# KiCad board IotKnob.kicad_pcb (continued)
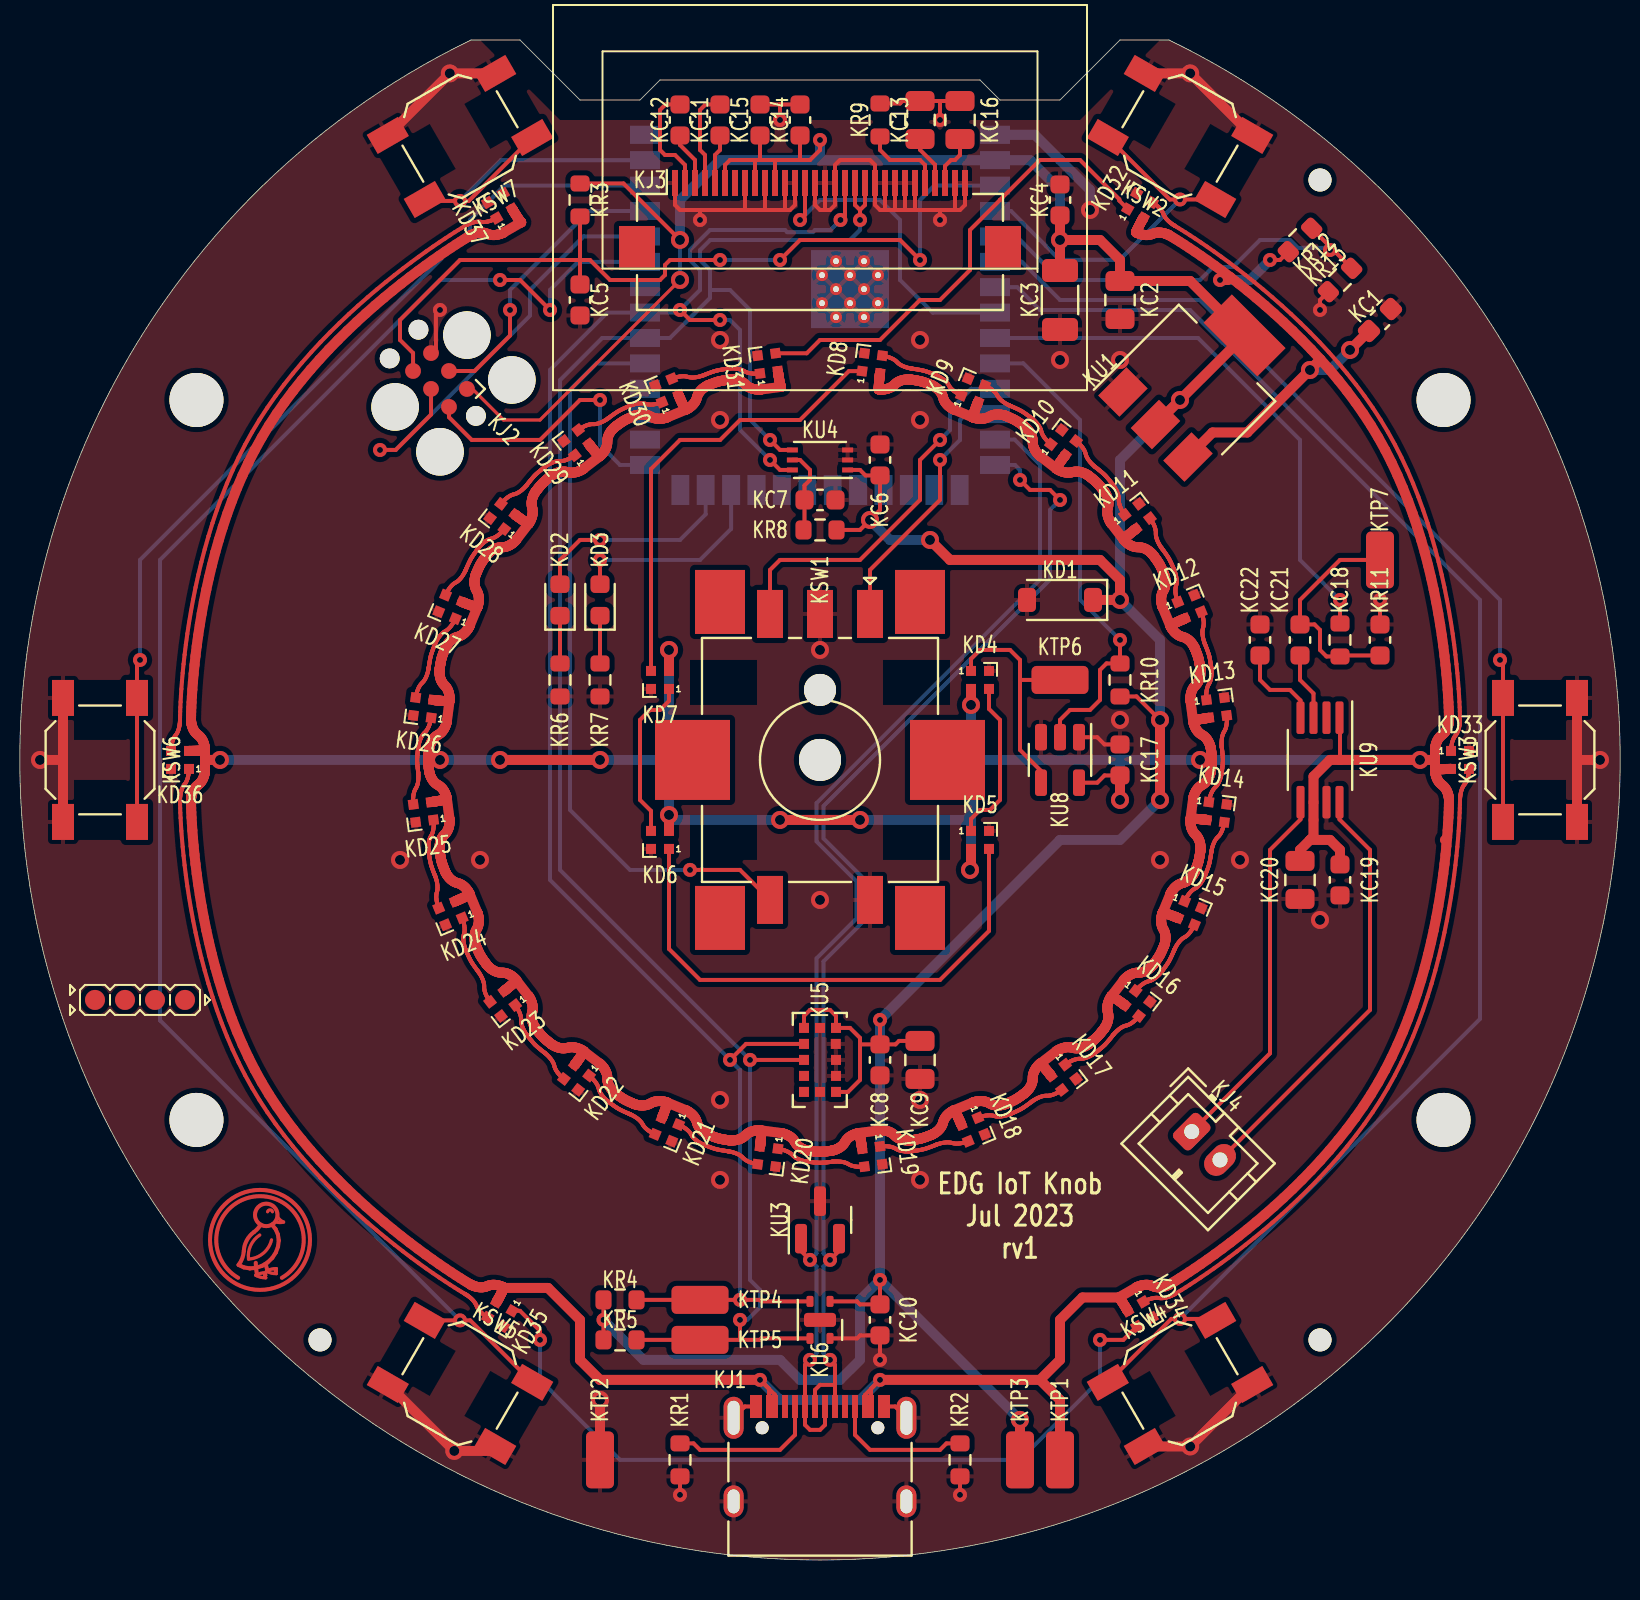
[diagram p0: board, top side]
## Footprints (pads in the part's own frame, mm; a bottom-side part is the same pattern mirrored in y, then rotated)
C_0603_1608Metric
  rrect 0.9x0.95 smd: 1(-0.775,0) 2(0.775,0)
C_0805_2012Metric
  rrect 1x1.45 smd: 1(-0.95,0) 2(0.95,0)
C_1206_3216Metric
  rrect 1.15x1.8 smd: 1(-1.475,0) 2(1.475,0)
D_SOD-123
  rrect 0.9x1.2 smd: 1(-1.65,0) 2(1.65,0)
ESP32-S3-WROOM-1
  rect 0.9x0.9 smd: (-2.9,-3.86) (-2.9,-2.46) (-2.9,-1.06) (-1.5,-3.86) (-1.5,-2.46) (-1.5,-1.06) (-0.1,-3.86) (-0.1,-2.46) (-0.1,-1.06)
  rect 1.5x0.9 smd: 1(-8.75,5.26) 2(-8.75,3.99) 3(-8.75,2.72) 4(-8.75,1.45) 5(-8.75,0.18) 6(-8.75,-1.09) 7(-8.75,-2.36) 8(-8.75,-3.63) 9(-8.75,-4.9) 10(-8.75,-6.17) 11(-8.75,-7.44) 12(-8.75,-8.71) 13(-8.75,-9.98) 14(-8.75,-11.25) 27(8.75,-11.25) 28(8.75,-9.98) 29(8.75,-8.71) 30(8.75,-7.44) 31(8.75,-6.17) 32(8.75,-4.9) 33(8.75,-3.63) 34(8.75,-2.36) 35(8.75,-1.09) 36(8.75,0.18) 37(8.75,1.45) 38(8.75,2.72) 39(8.75,3.99) 40(8.75,5.26)
  rect 0.9x1.5 smd: 15(-6.985,-12.5) 16(-5.715,-12.5) 17(-4.445,-12.5) 18(-3.175,-12.5) 19(-1.905,-12.5) 20(-0.635,-12.5) 21(0.635,-12.5) 22(1.905,-12.5) 23(3.175,-12.5) 24(4.445,-12.5) 25(5.715,-12.5) 26(6.985,-12.5)
  round 0.6 hole 0.3: 41(-2.9,-3.16) 41(-2.9,-1.76) 41(-2.2,-3.86) 41(-2.2,-2.46) 41(-2.2,-1.06) 41(-1.5,-3.16) 41(-1.5,-1.76) 41(-0.8,-3.86) 41(-0.8,-2.46) 41(-0.8,-1.06) 41(-0.1,-3.16) 41(-0.1,-1.76)
  rect 3.9x3.9 smd: 41(-1.5,-2.46)
Hirose_FH12-30S-0.5SH_1x30-1MP_P0.50mm_Horizontal
  rect 0.3x1.3 smd: 1(-7.25,1.85) 2(-6.75,1.85) 3(-6.25,1.85) 4(-5.75,1.85) 5(-5.25,1.85) 6(-4.75,1.85) 7(-4.25,1.85) 8(-3.75,1.85) 9(-3.25,1.85) 10(-2.75,1.85) 11(-2.25,1.85) 12(-1.75,1.85) 13(-1.25,1.85) 14(-0.75,1.85) 15(-0.25,1.85) 16(0.25,1.85) 17(0.75,1.85) 18(1.25,1.85) 19(1.75,1.85) 20(2.25,1.85) 21(2.75,1.85) 22(3.25,1.85) 23(3.75,1.85) 24(4.25,1.85) 25(4.75,1.85) 26(5.25,1.85) 27(5.75,1.85) 28(6.25,1.85) 29(6.75,1.85) 30(7.25,1.85)
  rect 1.8x2.2 smd: MP(-9.15,-1.4) MP(9.15,-1.4)
HVSOF6
  rect 0.55x0.25 smd: 1(-1.38,0.5) 2(-1.38,0) 3(-1.38,-0.5) 4(1.38,-0.5) 5(1.38,0) 6(1.38,0.5)
JlcToolingHole_1.152mm
  round 1.152 hole 1.152 unplated: (0,0)
JST_PH_B2B-PH-K_1x02_P2.00mm_Vertical
  rrect 1.2x1.75 hole 0.75: 1(0,0)
  oval 1.2x1.75 hole 0.75: 2(2,0)
LED_0603_1608Metric
  rrect 0.875x0.95 smd: 1(-0.787,0) 2(0.787,0)
LED_SK6812_EC15_1.5x1.5mm
  rect 0.5x0.5 smd: 1(-0.45,0.45) 2(-0.45,-0.45) 3(0.45,-0.45) 4(0.45,0.45)
LED_SK6812_EC15_1.5x1.5mm#2
  rect 0.5x0.5 smd: 1(-0.45,0.45) 2(-0.45,-0.45) 3(0.45,-0.45) 4(0.45,0.45)
LED_SK6812_EC15_1.5x1.5mm#3
  rect 0.5x0.5 smd: 1(-0.45,0.45) 2(-0.45,-0.45) 3(0.45,-0.45) 4(0.45,0.45)
MountingHole_2.7mm_M2.5
  round 2.7 hole 2.7 unplated: (0,0)
MSOP-8_3x3mm_P0.65mm
  rrect 1.625x0.4 smd: 1(-2.112,0.975) 2(-2.112,0.325) 3(-2.112,-0.325) 4(-2.112,-0.975) 5(2.112,-0.975) 6(2.112,-0.325) 7(2.112,0.325) 8(2.112,0.975)
R_0603_1608Metric
  rrect 0.8x0.95 smd: 1(-0.825,0) 2(0.825,0)
RotaryEncoder_Alps_EC11J15-Switch
  round 1.6 hole 2x1.6 unplated: (-3.5,0)
  round 2.1 hole 2.1 unplated: (0,0)
  rect 2.4x1.3 smd: A(-7.3,2.5) B(-7.3,-2.5) C(-7.3,0) S1(7,-2.5) S2(7,2.5)
  rect 3.2x2.5 smd: MP(-7.9,5) MP(-7.9,-5) MP(7.9,5) MP(7.9,-5)
  rect 4x3.75 smd: MP(0,6.375) MP(0,-6.375)
Sensirion_DFN-4-1EP_2x2mm_P1mm_EP0.7x1.6mm
  rrect 0.55x0.35 smd: (-1.025,0.5) (-1.025,-0.5) (1.025,0.5) (1.025,-0.5) 1(-0.925,0.5) 2(-0.925,-0.5) 3(0.925,-0.5) 4(0.925,0.5)
  rrect 0.5x1.4 smd: (0,0)
  rrect 0.7x1.6 smd: 5(0,0)
SOT-23
  rrect 1.475x0.6 smd: 1(-0.938,0.95) 2(-0.938,-0.95) 3(0.938,0)
SOT-23-5
  rrect 1.325x0.6 smd: 1(-1.137,0.95) 2(-1.137,0) 3(-1.137,-0.95) 4(1.137,-0.95) 5(1.137,0.95)
SOT-223-3_TabPin2
  rect 2x1.5 smd: 1(-3.15,2.3) 2(-3.15,0) 3(-3.15,-2.3)
  rect 2x3.8 smd: 2(3.15,0)
ST_VL53L0X
  rect 0.5x0.5 smd: 1(-1.6,0.8) 2(-0.8,0.79) 3(0,0.8) 4(0.8,0.8) 5(1.6,0.8) 6(1.6,0) 7(1.6,-0.8) 8(0.8,-0.8) 9(0,-0.8) 10(-0.8,-0.8) 11(-1.6,-0.8) 12(-1.6,0)
SW_SPST_SKQG_WithoutStem
  rect 1.8x1.1 smd: 1(-3.1,1.85) 1(3.1,1.85) 2(-3.1,-1.85) 2(3.1,-1.85)
Tag-Connect_TC2030-IDC-FP_2x03_P1.27mm_Vertical
  round 2.375 hole 2.375 unplated: (-2.54,2.54) (-2.54,-2.54) (0.635,2.54) (0.635,-2.54)
  round 0.991 hole 0.991 unplated: (-2.54,0) (2.54,1.016) (2.54,-1.016)
  round 0.787 smd: 1(-1.27,-0.635) 2(-1.27,0.635) 3(0,-0.635) 4(0,0.635) 5(1.27,-0.635) 6(1.27,0.635)
TestPoint_TE_RCT_0805
  rrect 2.85x1.4 smd: 1(0,0)
USB_C_Receptacle_XKB_U262-16XN-4BVC11
  round 0.65 hole 0.65 unplated: (-2.89,2.605) (2.89,2.605)
  rect 0.3x1.15 smd: A1(-3.35,3.67) A4(-2.55,3.67) A5(-1.25,3.67) A6(-0.25,3.67) A7(0.25,3.67) A8(1.25,3.67) A9(2.55,3.67) A12(3.35,3.67) B1(3.05,3.67) B4(2.25,3.67) B5(1.75,3.67) B6(0.75,3.67) B7(-0.75,3.67) B8(-1.75,3.67) B9(-2.25,3.67) B12(-3.05,3.67)
  oval 1x2.1 hole 0.6x1.7: S1(-4.32,3.105) S1(4.32,3.105)
  oval 1x1.6 hole 0.6x1.2: S1(-4.32,-1.075) S1(4.32,-1.075)

## Nets
gnd: KC1.2 KC2.2 KC3.2 KC4.2 KC5.2 KC6.2 KC7.2 KC8.2 KC9.2 KC10.2 KC13.2 KC14.2 KC15.2 KC16.2 KC17.2 KC18.2 KC19.2 KC20.2 KC22.2 KD1.2 KD4.4 KD5.4 KD6.4 KD7.4 KD8.4 KD9.4 KD10.4 KD11.4 KD12.4 KD13.4 KD14.4 KD15.4 KD16.4 KD17.4 KD18.4 KD19.4 KD20.4 KD21.4 KD22.4 KD23.4 KD24.4 KD25.4 KD26.4 KD27.4 KD28.4 KD29.4 KD30.4 KD31.4 KD32.4 KD33.4 KD34.4 KD35.4 KD36.4 KD37.4 KJ1.A1 KJ1.A12 KJ1.B1 KJ1.B12 KJ1.S1 KJ2.5 KJ3.1 KJ3.8 KJ3.10 KJ3.12 KJ3.13 KJ3.15 KJ3.16 KJ3.17 KJ3.21 KJ3.22 KJ3.23 KJ3.24 KJ3.25 KJ3.29 KJ3.30 KR1.1 KR2.1 KR6.2 KR7.2 KR9.2 KR13.2 KSW1.C KSW1.S2 KSW2.2 KSW3.2 KSW4.2 KSW5.2 KSW6.2 KSW7.2 KTP2.1 KU1.1 KU2.1 KU2.40 KU2.41 KU3.3 KU4.2 KU4.3 KU5.2 KU5.3 KU5.4 KU5.6 KU5.12 KU6.4 KU6.5 KU8.1 KU8.3 KU9.7
v3v3: KC2.1 KC3.1 KC4.1 KC6.1 KC8.1 KC9.1 KC10.1 KC14.1 KC15.1 KD1.1 KJ2.1 KJ3.6 KJ3.9 KJ3.11 KR3.1 KR4.1 KR5.1 KR8.1 KR10.1 KTP3.1 KU1.2 KU2.2 KU4.1 KU5.1 KU5.5 KU5.11 KU6.1
v5v_sense.output: KR12.2 KR13.1 KU2.5
als.dvi_res.b: KC7.1 KR8.2 KU4.5
dist.gpio1: KU5.7
enc.a: KSW1.A KU2.12
enc.b: KSW1.B KU2.11
enc.sw: KSW1.S1 KU2.31
i2c_chain_0.scl: KJ3.18 KR4.2 KTP4.1 KU2.33 KU4.6 KU5.10 KU6.2
i2c_chain_0.sda: KJ3.19 KJ3.20 KR5.2 KTP5.1 KU2.32 KU4.4 KU5.9 KU6.3
io8_pur.io: KR10.2 KU2.10 KU8.2
ledr.res.a: KD2.1 KR6.1
ledr.signal: KD2.2 KU2.25
ledy.res.a: KD3.1 KR7.1
ledy.signal: KD3.2 KU2.24
mcu.program_boot_node: KJ2.2 KU2.27
mcu.program_en_node: KC5.1 KJ2.6 KR3.2 KU2.3
mcu.program_uart_node.a_tx: KJ2.3 KU2.37
mcu.program_uart_node.b_tx: KJ2.4 KU2.36
oled.c1_cap.neg: KC11.2 KJ3.5
oled.c1_cap.pos: KC11.1 KJ3.4
oled.c2_cap.neg: KC12.2 KJ3.3
oled.c2_cap.pos: KC12.1 KJ3.2
oled.device.vcc: KC16.1 KJ3.28
oled.device.vcomh: KC13.1 KJ3.27
oled.iref_res.a: KJ3.26 KR9.1
oled.reset: KJ3.14 KU2.8
rgb_knob.dout: KD7.3 KD8.1
rgb_knob.led[0].dout: KD4.3 KD5.1
rgb_knob.led[1].dout: KD5.3 KD6.1
rgb_knob.led[2].dout: KD6.3 KD7.1
rgb_ring.dout: KD31.3 KD32.1
rgb_ring.led[0].dout: KD8.3 KD9.1
rgb_ring.led[1].dout: KD9.3 KD10.1
rgb_ring.led[2].dout: KD10.3 KD11.1
rgb_ring.led[3].dout: KD11.3 KD12.1
rgb_ring.led[4].dout: KD12.3 KD13.1
rgb_ring.led[5].dout: KD13.3 KD14.1
rgb_ring.led[6].dout: KD14.3 KD15.1
rgb_ring.led[7].dout: KD15.3 KD16.1
rgb_ring.led[8].dout: KD16.3 KD17.1
rgb_ring.led[9].dout: KD17.3 KD18.1
rgb_ring.led[10].dout: KD18.3 KD19.1
rgb_ring.led[11].dout: KD19.3 KD20.1
rgb_ring.led[12].dout: KD20.3 KD21.1
rgb_ring.led[13].dout: KD21.3 KD22.1
rgb_ring.led[14].dout: KD22.3 KD23.1
rgb_ring.led[15].dout: KD23.3 KD24.1
rgb_ring.led[16].dout: KD24.3 KD25.1
rgb_ring.led[17].dout: KD25.3 KD26.1
rgb_ring.led[18].dout: KD26.3 KD27.1
rgb_ring.led[19].dout: KD27.3 KD28.1
rgb_ring.led[20].dout: KD28.3 KD29.1
rgb_ring.led[21].dout: KD29.3 KD30.1
rgb_ring.led[22].dout: KD30.3 KD31.1
rgb_shift.output: KD4.1 KTP6.1 KU8.4
rgb_sw.dout: KD37.3
rgb_sw.led[0].dout: KD32.3 KD33.1
rgb_sw.led[1].dout: KD33.3 KD34.1
rgb_sw.led[2].dout: KD34.3 KD35.1
rgb_sw.led[3].dout: KD35.3 KD36.1
rgb_sw.led[4].dout: KD36.3 KD37.1
spk_dac.input: KR11.1 KU2.9
spk_dac.output: KC18.1 KC21.2 KR11.2 KTP7.1
spk_drv.inn_cap.pos: KC22.1 KU9.4
spk_drv.inp_cap.pos: KC21.1 KU9.3
spk_drv.spk.a: KJ4.1 KU9.5
spk_drv.spk.b: KJ4.2 KU9.8
sw[0].out: KSW2.1 KU2.4
sw[1].out: KSW3.1 KU2.6
sw[2].out: KSW4.1 KU2.7
sw[3].out: KSW5.1 KU2.35
sw[4].out: KSW6.1 KU2.38
sw[5].out: KSW7.1 KU2.39
usb.conn.A5: KJ1.A5 KR1.2
usb.conn.B5: KJ1.B5 KR2.2
usb_chain_0.d_N: KJ1.A7 KJ1.B7 KU2.13 KU3.1
usb_chain_0.d_P: KJ1.A6 KJ1.B6 KU2.14 KU3.2
vusb: KC1.1 KC17.1 KC19.1 KC20.1 KD4.2 KD5.2 KD6.2 KD7.2 KD8.2 KD9.2 KD10.2 KD11.2 KD12.2 KD13.2 KD14.2 KD15.2 KD16.2 KD17.2 KD18.2 KD19.2 KD20.2 KD21.2 KD22.2 KD23.2 KD24.2 KD25.2 KD26.2 KD27.2 KD28.2 KD29.2 KD30.2 KD31.2 KD32.2 KD33.2 KD34.2 KD35.2 KD36.2 KD37.2 KJ1.A4 KJ1.A9 KJ1.B4 KJ1.B9 KR12.1 KTP1.1 KU1.3 KU8.5 KU9.1 KU9.6

Pads without a net: KJ1 A8 B8; KJ3 7 MP; KSW1 MP; KU2 15 16 17 18 19 20 21 22 23 26 28 29 30 34; KU5 8; KU9 2

## Via types
v1: diameter 0.9, hole 0.5, Top to Bottom, 51 vias
v2: diameter 0.7, hole 0.3, Top to Bottom, 59 vias

## Routing (per net, layer and track width the routed paths; a pad name or vN(x,y) marks a point on that pad's centre or on a via; arc(x,y) is an arc through that point)
gnd: length 109.9
  Top w0.2: KJ3.12 15.7,67.51 ; 15.7,67.51 14.7,67.51 ; 15.7,67.51 15.95,67.51 16.2,67.76 KJ3.13 ; 21.7,67.51 22.2,67.51 ; 21.7,67.51 21.2,67.51 ; 21.7,67.51 KJ3.24 ; 22.2,67.51 23.45,67.51 ; 22.2,67.51 KJ3.25 ; 20.7,67.51 20.45,67.51 20.2,67.76 KJ3.21 20.2,69.76 19.95,70.01 18.45,70.01 18.2,69.76 KJ3.17 18.2,67.76 17.95,67.51 17.7,67.51 ; 20.7,67.51 21.2,67.51 ; 20.7,67.51 KJ3.22 ; KU8.1 31.31,41.14 31.67,40.78 KC17.2 ; KJ2.5 -1.75,60.6 -1.75,62.3 v2(-1.55,62.51) ; KC15.2 15.45,72.78 ; 15.45,72.78 v2(15.45,72.01) ; 15.45,72.78 KC14.2 ; 21.2,67.51 KJ3.23 ; 23.45,67.51 v2(23.45,67.01) ; 23.45,67.51 24.2,67.51 ; 24.2,67.51 24.45,67.51 24.7,67.76 KJ3.30 ; 24.2,67.51 KJ3.29 ; KJ3.8 13.7,67.51 ; 13.7,67.51 11.45,67.51 ; 13.7,67.51 14.7,67.51 ; KJ1.A12 21.2,7.68 KJ1.S1 ; 17.7,67.51 KJ3.16 ; 17.7,67.51 17.45,67.51 17.2,67.76 KJ3.15 ; KR13.2 42.45,63.01 v2(42.45,62.51) ; 14.7,67.51 KJ3.10 ; KJ1.S1 13.7,7.68 KJ1.A1 ; 11.45,67.51 10.45,67.51 10.2,67.76 KJ3.1 ; 11.45,67.51 v2(11.45,67.01) ; 23.45,72.96 KC16.2 ; 23.45,72.96 v2(23.45,72.01) ; 23.45,72.96 KC13.2 21.58,72.96 21.45,72.83 KR9.2 ; KU6.4 19.3,11.08 19.45,11.23 KC10.2 v2(20.45,10.01) ; KC18.2 v2(45.45,48.01) ; KR1.1 v2(10.45,3.26) ; KR2.1 v2(24.45,3.26)
  Top w0.5: 55.3,40.01 KSW3.2 ; 55.3,40.01 KSW3.2 ; 55.3,40.01 v1(56.45,40.01) ; KSW2.2 v1(35.96,74.34) KSW2.2 ; -20.4,40.01 v1(-21.55,40.01) ; -20.4,40.01 KSW6.2 ; -20.4,40.01 KSW6.2 ; KSW4.2 v1(35.96,5.68) KSW4.2 ; KSW7.2 v1(-1.06,74.34) KSW7.2 ; 1.21,5.45 v1(-0.84,5.45) KSW5.2 ; KTP2.1 v1(6.45,8.01)
  Bottom w0.5: KU2.1 28.19,71.27 30.95,68.51 v1(30.95,67.51)
  vias: v1(-3.55,35.01) v1(0.45,35.01) v1(12.45,61.01) v1(12.45,57.01) v1(12.45,23.01) v1(12.45,19.01) v1(17.45,45.51) v1(17.45,33.01) v1(22.45,61.01) v1(22.45,57.01) v1(22.45,23.01) v1(22.45,19.01) v1(29.45,60.01) v1(32.45,60.01) v1(32.45,42.01) v1(34.45,35.01) v1(38.45,35.01) v1(42.45,32.01)
v3v3: length 207.3
  Top w0.16: v1(10.45,64.01) 3.45,57.01 1.62,57.01 0.07,58.56
  Top w0.2: 16.45,70.01 KC14.1 ; 16.45,70.01 15.2,70.01 ; 16.45,70.01 16.95,70.01 17.45,70.51 v2(17.45,71.01) ; KR3.1 7.62,68.83 v1(10.45,66.01) ; 19.45,25.76 19.48,25.78 KC8.1 ; 19.45,25.76 19.45,24.01 18.85,23.41 KU5.5 ; 19.45,25.76 19.45,26.11 18.95,26.61 KU5.1 18.25,27.21 17.95,27.51 16.95,27.51 16.65,27.21 KU5.11 ; KR8.1 19.45,51.51 v1(19.95,52.01) 20.45,52.51 KC6.1 19.73,54.23 19.45,54.51 KU4.1 ; 15.2,70.01 14.2,70.01 ; 15.2,70.01 KJ3.11 ; 14.2,70.01 12.95,70.01 12.7,69.76 KJ3.6 ; 14.2,70.01 KJ3.9 ; KC9.1 21.4,25.96 21.23,25.78 KC8.1 ; KU6.1 19.3,12.93 19.45,12.78 KC10.1 v2(20.45,14.01) ; v1(34.45,42.01) 33.28,43.18 KR10.1 ; KC8.1 v2(20.45,27.01) ; KR5.1 KR4.1 ; 14.45,70.01 KC15.1
  Top w0.5: v1(29.45,66.01) 31.45,66.01 32.45,65.01 KC2.1 35.95,63.96 KU1.2 KU1.2 ; v1(29.45,66.01) KC3.1 ; v1(29.45,66.01) KC4.1 ; KD1.1 v1(32.45,48.01) 32.45,49.01 31.45,50.01 23.95,50.01 v1(22.95,51.01) ; v1(34.45,38.01) v1(34.45,42.01) ; KTP3.1 v1(27.45,7.01)
  Bottom w0.2: v1(10.45,64.01) 10.45,64.01 v1(10.45,66.01)
  Bottom w0.5: v1(22.95,51.01) 20.95,51.01 v1(19.95,52.01) ; v1(10.45,66.01) 10.45,68 12.44,70 17.45,70 ; v1(34.45,42.01) 34.45,46.01 v1(32.45,48.01) 32.45,55.01 v1(35.45,58.01) ; v2(20.45,14.01) 19.45,13.01 19.45,10.01 18.45,9.01 16.45,9.01 15.45,10.01 8.62,10.01 v2(6.62,12.01) ; v2(20.45,14.01) v2(20.45,27.01) 29.45,36.01 32.45,36.01 v1(34.45,38.01) ; v2(20.45,14.01) v1(27.45,7.01) ; v1(29.45,66.01) 29.45,68.51 27.96,70 KU2.2 17.45,70 ; 17.45,70 v2(17.45,71.01)
v5v_sense.output: length 21.6
  Top w0.2: KR12.2 42.95,65.67 v2(42.95,65.51) 43.12,65.51 KR13.1
  Bottom w0.2: KU2.5 27.27,66.19 29.45,64.01 36.45,64.01 37.1,64.66 38.1,64.66 39.45,66.01 40.95,66.01 41.34,65.62 42.84,65.62 v2(42.95,65.51)
als.dvi_res.b: length 4.2
  Top w0.2: 16.67,51.56 KC7.1 16.67,53.73 16.95,54.01 16.95,54.51 16.45,55.01 KU4.5
enc.a: length 13.4
  Top w0.2: v2(23.45,55.01) 23.45,53.01 19.95,49.51 KSW1.A
  Bottom w0.2: KU2.12 24.74,57.3 24.45,57.01 24.45,56.01 v2(23.45,55.01)
enc.b: length 19
  Top w0.2: KSW1.B 14.95,49.51 15.45,50.01 19.45,50.01 22.45,53.01 22.45,55.01 v2(23.45,56.01)
  Bottom w0.2: v2(23.45,56.01) 23.95,56.51 23.95,57.51 25.01,58.57 KU2.11
enc.sw: length 37.2
  Top w0.2: KSW1.S1 13.45,34.51 v2(10.95,34.51)
  Bottom w0.2: KU2.31 6.28,59.84 4.95,58.51 4.95,37.51 7.95,34.51 v2(10.95,34.51)
i2c_chain_0.scl: length 97.3
  Top w0.2: KU5.10 13.75,25.81 v2(12.95,25.01) ; v2(18.47,67.01) 18.7,67.23 KJ3.18 ; KR4.2 KTP4.1 14.45,13.01 14.53,12.93 KU6.2 ; v2(10.45,62.51) 10.95,62.01 v2(12.45,62.01) ; KU4.6 15.45,54.51 v2(14.95,55.01)
  Bottom w0.2: v2(18.47,67.01) 17.97,66.51 17.2,66.51 17.09,66.4 15.81,66.4 15.7,66.51 11.95,66.51 10.95,65.51 10.95,65 11.45,64.5 11.45,63.51 10.32,62.38 KU2.33 6.82,62.38 3.95,59.51 3.95,34.01 13.45,24.51 ; v2(13.45,13.01) 13.45,24.51 ; 13.45,24.51 v2(12.95,25.01) ; v2(12.45,62.01) 12.95,62.01 13.45,61.51 13.45,56.51 v2(14.95,55.01)
i2c_chain_0.sda: length 98.9
  Top w0.2: 19.45,67.51 19.2,67.76 KJ3.19 ; 19.45,67.51 v2(19.45,67.01) ; 19.45,67.51 19.7,67.76 KJ3.20 ; v2(13.45,12.01) 13.45,11.01 ; 13.45,11.01 KTP5.1 KR5.2 ; 13.45,11.01 14.45,11.01 14.53,11.08 KU6.3 ; KU5.9 v2(13.95,25.01) ; v2(14.95,56.01) 15.45,55.51 KU4.4
  Bottom w0.2: 11.95,63.51 11.95,63.11 9.95,61.11 KU2.32 6.56,61.11 4.45,59 4.45,34.51 v2(13.95,25.01) 13.95,14.01 14.45,13.51 14.45,12.64 13.81,12.01 v2(13.45,12.01) ; 11.95,63.51 11.95,64.51 11.45,65.01 11.45,65.5 11.96,66.01 18.95,66.01 19.45,66.51 v2(19.45,67.01) ; 11.95,63.51 12.95,63.51 13.95,62.51 13.95,57.01 v2(14.95,56.01)
io8_pur.io: length 24.3
  Top w0.2: v2(32.45,46.01) KR10.2 31.78,44.83 31.45,44.51 31.45,43.01 30.95,42.51 29.95,42.51 29.45,42.01 KU8.2
  Bottom w0.2: KU2.10 27.62,59.84 30.45,57.01 30.45,48.01 v2(32.45,46.01)
ledr.res.a: length 2.4
  Top w0.2: KD2.1 KR6.1
ledr.signal: length 10.7
  Top w0.2: KD2.2 4.45,50.01 5.45,51.01 v2(6.45,51.01)
  Bottom w0.2: v2(6.45,51.01) 10.45,51.01 11.73,52.29 KU2.25
ledy.res.a: length 2.4
  Top w0.2: KD3.1 KR7.1
ledy.signal: length 10.4
  Top w0.2: v2(6.45,50.01) KD3.2
  Bottom w0.2: KU2.24 13.01,51.56 11.45,50.01 v2(6.45,50.01)
mcu.program_boot_node: length 14.3
  Top w0.2: KJ2.2 -1.1,57.15 0.04,56.01 3.45,56.01 5.45,58.01 v2(6.45,58.01)
  Bottom w0.2: KU2.27 7.45,54.76 6.45,55.76 v2(6.45,58.01)
mcu.program_en_node: length 42.5
  Top w0.2: 5.45,65.01 KC5.1 ; 5.45,65.01 KR3.2 ; 5.45,65.01 5.95,65.01 6.95,64.01 9.45,64.01 9.7,64.26 9.7,64.76 9.95,65.01 v2(12.45,65.01) ; 5.45,65.01 -0.55,65.01 -3.55,62.01 -3.55,61.01 -2.9,60.35 KJ2.6 ; v2(22.45,65.01) 21.45,66.01 16.45,66.01 v2(15.45,65.01)
  Bottom w0.2: v2(22.45,65.01) 22.45,68.01 23.17,68.73 KU2.3 ; v2(12.45,65.01) v2(15.45,65.01)
mcu.program_uart_node.a_tx: length 14.5
  Top w0.2: v2(1.95,62.51) 1.95,61.22 0.18,59.46 KJ2.3
  Bottom w0.2: v2(1.95,62.51) 1.95,63.51 5.9,67.46 KU2.37
mcu.program_uart_node.b_tx: length 23
  Top w0.2: KJ2.4 -2,57.28 -3.77,55.51 v2(-4.55,55.51)
  Bottom w0.2: v2(-4.55,55.51) -3.77,55.51 2.95,62.22 2.95,63.51 5.63,66.19 KU2.36
oled.c1_cap.neg: length 2.5
  Top w0.2: KC11.2 12.45,70.51 12.2,70.26 KJ3.5
oled.c1_cap.pos: length 4.9
  Top w0.2: KJ3.4 11.7,70.26 11.45,70.51 11.45,72.51 11.73,72.78 KC11.1
oled.c2_cap.neg: length 2.7
  Top w0.2: KC12.2 10.45,70.76 11.2,70.01 KJ3.3
oled.c2_cap.pos: length 5.6
  Top w0.2: KC12.1 9.73,72.78 9.45,72.51 9.45,70.51 9.7,70.26 10.2,70.26 10.7,69.76 KJ3.2
oled.device.vcc: length 2.6
  Top w0.2: KJ3.28 23.7,69.71 24,70.01 24.2,70.01 24.45,70.26 KC16.1
oled.device.vcomh: length 2.5
  Top w0.2: KJ3.27 23.2,69.77 22.45,70.52 KC13.1
oled.iref_res.a: length 4.1
  Top w0.2: KJ3.26 22.7,69.76 22.45,70.01 20.95,70.01 20.45,70.51 KR9.1
oled.reset: length 16.2
  Top w0.2: KJ3.14 16.7,67.26 v2(16.45,67.01)
  Bottom w0.2: KU2.8 23.08,62.38 21.45,64.01 21.45,67.01 20.45,68.01 17.45,68.01 v2(16.45,67.01)
rgb_knob.dout: length 22.7
  Top w0.2: KD7.3 9,54.56 10.45,56.01 12.45,56.01 13.45,57.01 16.45,57.01 18.89,59.45 KD8.1
rgb_knob.led[0].dout: length 8.2
  Top w0.2: KD4.3 25.9,42.56 26.45,42.01 26.45,38.01 25.95,37.51 25.45,37.51 25,37.06 KD5.1
rgb_knob.led[1].dout: length 26.8
  Top w0.2: KD6.1 9.9,30.56 11.45,29.01 23.45,29.01 25.9,31.46 KD5.3
rgb_knob.led[2].dout: length 8.2
  Top w0.2: KD6.3 9,37.46 8.45,38.01 8.45,42.01 8.95,42.51 9.45,42.51 9.9,42.96 KD7.1
rgb_ring.dout: length 23.8
  Top w0.2: KD32.1 32.42,67.97 32.42,68.04 30.45,70.01 28.45,70.01 26.45,68.01 26.45,68.01 24.95,66.51 24.95,64.51 23.45,63.01 22.45,63.01 20.45,61.01 17.45,61.01 16.78,60.34 KD31.3
rgb_ring.led[0].dout: length 4.3
  Top w0.2: 24.39,58.3 24.34,58.33 24.29,58.36 24.26,58.38 24.23,58.4 24.2,58.41 24.15,58.46 24.09,58.5 24.06,58.52 24.04,58.55 24.01,58.57 23.99,58.6 23.96,58.63 23.94,58.66 23.92,58.68 23.9,58.71 23.89,58.75 23.87,58.78 23.85,58.81 23.83,58.83 23.81,58.86 23.78,58.89 23.76,58.92 23.71,58.97 23.68,58.99 23.65,59.01 23.6,59.06 23.57,59.08 23.54,59.09 23.48,59.13 23.46,59.15 23.41,59.17 23.38,59.19 23.36,59.2 23.34,59.21 23.31,59.23 23.28,59.24 23.26,59.25 23.24,59.26 23.22,59.27 23.2,59.27 23.19,59.28 23.17,59.28 23.15,59.29 23.11,59.31 23.09,59.32 23.06,59.33 23.04,59.34 23.02,59.34 22.99,59.35 22.96,59.36 22.94,59.37 22.91,59.38 22.89,59.39 22.78,59.43 22.76,59.44 22.73,59.44 22.71,59.45 22.69,59.46 22.64,59.47 22.62,59.48 22.59,59.48 22.57,59.49 22.54,59.49 22.52,59.5 22.44,59.51 22.35,59.53 22.33,59.53 22.3,59.54 22.25,59.54 22.22,59.55 22.2,59.55 22.18,59.56 22.14,59.56 22.12,59.56 22.1,59.57 22.08,59.57 22.05,59.57 22.01,59.58 21.97,59.59 21.95,59.59 21.88,59.61 21.85,59.61 21.79,59.63 21.76,59.64 21.7,59.66 21.67,59.67 21.63,59.69 21.57,59.71 21.53,59.73 21.5,59.75 21.47,59.77 21.41,59.81 21.38,59.83 21.35,59.85 21.33,59.87 21.28,59.92 21.26,59.95 21.23,59.97 21.2,59.99 21.14,60.03 21.11,60.05 21.08,60.07 21.04,60.08 21.01,60.1 20.94,60.12 20.91,60.14 20.88,60.15 20.85,60.16 20.79,60.18 20.73,60.19 20.7,60.2
rgb_ring.led[1].dout: length 4.3
  Top w0.2: 25.82,58.67 25.87,58.64 25.89,58.62 25.95,58.59 26,58.55 26.03,58.53 26.06,58.51 26.09,58.49 26.12,58.47 26.14,58.44 26.17,58.42 26.2,58.39 26.24,58.34 26.27,58.31 26.29,58.28 26.31,58.25 26.32,58.22 26.34,58.19 26.36,58.16 26.38,58.13 26.4,58.11 26.42,58.08 26.45,58.05 26.47,58.03 26.5,58 26.53,57.98 26.56,57.96 26.58,57.93 26.61,57.91 26.67,57.87 26.7,57.86 26.75,57.82 26.78,57.81 26.82,57.78 26.84,57.77 26.88,57.75 26.92,57.73 26.93,57.73 26.95,57.72 26.97,57.71 27.01,57.7 27.02,57.69 27.06,57.67 27.1,57.66 27.12,57.65 27.17,57.63 27.19,57.62 27.24,57.59 27.31,57.56 27.34,57.55 27.37,57.53 27.44,57.5 27.48,57.47 27.5,57.46 27.52,57.45 27.54,57.44 27.56,57.43 27.58,57.41 27.6,57.4 27.67,57.36 27.74,57.31 27.76,57.29 27.81,57.26 27.85,57.23 27.87,57.21 27.91,57.19 27.95,57.16 27.96,57.15 27.98,57.14 27.99,57.13 28,57.12 28.01,57.11 28.03,57.09 28.05,57.08 28.07,57.07 28.09,57.04 28.11,57.03 28.15,57 28.17,56.98 28.21,56.94 28.25,56.89 28.27,56.87 28.32,56.82 28.34,56.79 28.36,56.76 28.4,56.7 28.42,56.67 28.44,56.64 28.46,56.61 28.47,56.57 28.49,56.54 28.5,56.51 28.51,56.47 28.52,56.44 28.53,56.41 28.53,56.37 28.55,56.34 28.56,56.31 28.58,56.27 28.59,56.24 28.61,56.21 28.63,56.18 28.65,56.15 28.67,56.12 28.72,56.07 28.74,56.04 28.78,55.99 28.83,55.94 28.85,55.92 28.87,55.9 28.89,55.88
rgb_ring.led[2].dout: length 4.3
  Top w0.2: 30.36,55.86 30.4,55.83 30.42,55.8 30.45,55.78 30.47,55.76 30.49,55.73 30.51,55.71 30.56,55.65 30.6,55.6 30.62,55.57 30.66,55.5 30.67,55.47 30.69,55.44 30.7,55.41 30.72,55.37 30.73,55.34 30.74,55.27 30.75,55.24 30.77,55.21 30.78,55.17 30.79,55.14 30.81,55.11 30.85,55.05 30.87,55.02 30.91,54.96 30.93,54.93 30.98,54.88 31.02,54.83 31.04,54.81 31.06,54.79 31.12,54.73 31.17,54.69 31.19,54.67 31.21,54.66 31.25,54.63 31.27,54.61 31.3,54.59 31.34,54.56 31.37,54.53 31.46,54.46 31.5,54.42 31.52,54.41 31.58,54.35 31.6,54.33 31.62,54.32 31.64,54.3 31.66,54.28 31.68,54.27 31.71,54.23 31.73,54.22 31.74,54.2 31.76,54.18 31.78,54.16 31.8,54.14 31.85,54.08 31.87,54.06 31.9,54.01 31.95,53.95 31.97,53.93 32,53.89 32.03,53.86 32.05,53.83 32.07,53.8 32.09,53.78 32.1,53.76 32.11,53.76 32.12,53.74 32.15,53.69 32.17,53.67 32.18,53.65 32.19,53.63 32.22,53.58 32.24,53.55 32.25,53.52 32.28,53.46 32.31,53.4 32.33,53.37 32.35,53.3 32.36,53.26 32.37,53.23 32.38,53.19 32.38,53.16 32.39,53.12 32.39,53.09 32.39,53.05 32.39,52.98 32.39,52.95 32.4,52.91 32.4,52.88 32.41,52.84 32.42,52.81 32.44,52.74 32.45,52.7 32.46,52.67 32.47,52.63 32.49,52.6 32.5,52.57 32.53,52.51 32.55,52.48 32.56,52.46 32.59,52.41 32.61,52.38
rgb_ring.led[3].dout: length 4.3
  Top w0.2: 34.03,51.98 34.04,51.96 34.07,51.91 34.09,51.88 34.1,51.85 34.12,51.82 34.13,51.79 34.15,51.76 34.16,51.73 34.17,51.7 34.19,51.66 34.2,51.63 34.22,51.56 34.23,51.52 34.23,51.49 34.24,51.45 34.24,51.42 34.24,51.38 34.24,51.35 34.24,51.31 34.24,51.28 34.25,51.24 34.25,51.21 34.26,51.17 34.27,51.14 34.27,51.1 34.28,51.07 34.3,51.03 34.31,51 34.34,50.93 34.35,50.9 34.37,50.87 34.4,50.81 34.41,50.79 34.44,50.74 34.47,50.69 34.48,50.67 34.49,50.66 34.5,50.64 34.52,50.62 34.53,50.6 34.55,50.58 34.55,50.57 34.56,50.56 34.57,50.55 34.58,50.53 34.59,50.52 34.6,50.5 34.63,50.47 34.66,50.43 34.67,50.41 34.7,50.36 34.74,50.32 34.75,50.3 34.8,50.23 34.83,50.18 34.84,50.16 34.86,50.14 34.87,50.12 34.88,50.1 34.89,50.08 34.91,50.06 34.92,50.04 34.94,49.99 34.98,49.92 34.99,49.9 35,49.87 35.04,49.8 35.06,49.75 35.07,49.72 35.09,49.68 35.1,49.65 35.12,49.61 35.13,49.58 35.14,49.56 35.15,49.53 35.16,49.51 35.17,49.49 35.17,49.48 35.18,49.46 35.2,49.42 35.22,49.35 35.22,49.32 35.23,49.29 35.24,49.26 35.25,49.23 35.25,49.2 35.27,49.13 35.28,49.06 35.28,49.02 35.28,48.95 35.28,48.92 35.28,48.88 35.28,48.84 35.27,48.81 35.27,48.77 35.26,48.74 35.25,48.71 35.24,48.67 35.23,48.64 35.23,48.6 35.22,48.57 35.22,48.53 35.22,48.5 35.22,48.46 35.22,48.42 35.23,48.35 35.24,48.28 35.24,48.25 35.25,48.21 35.26,48.15 35.27,48.12 35.28,48.09 35.28,48.06 35.29,48.04
rgb_ring.led[4].dout: length 4.3
  Top w0.2: 36.76,43.15 36.76,43.17 36.76,43.26 36.76,43.29 36.77,43.36 36.78,43.43 36.78,43.47 36.79,43.5 36.79,43.54 36.8,43.57 36.82,43.64 36.83,43.68 36.85,43.71 36.86,43.74 36.88,43.77 36.9,43.8 36.91,43.83 36.93,43.86 36.95,43.9 36.96,43.93 36.98,44 36.99,44.03 37,44.07 37.01,44.1 37.01,44.14 37.02,44.17 37.02,44.24 37.03,44.31 37.03,44.34 37.03,44.43 37.03,44.51 37.03,44.53 37.02,44.54 37.02,44.59 37.02,44.62 37.01,44.66 37.01,44.68 37.01,44.69 37,44.73 37,44.76 36.99,44.78 36.98,44.86 36.98,44.88 36.97,44.91 36.95,45.02 36.94,45.07 36.94,45.1 36.93,45.13 36.92,45.15 36.92,45.18 36.91,45.22 36.9,45.24 36.89,45.26 36.89,45.29 36.88,45.31 36.87,45.34 36.84,45.44 36.83,45.47 36.82,45.49 36.81,45.52 36.8,45.55 36.79,45.57 36.78,45.6 36.77,45.62 36.76,45.64 36.75,45.67 36.74,45.71 36.73,45.72 36.72,45.74 36.72,45.76 36.71,45.77 36.7,45.79 36.69,45.81 36.68,45.84 36.67,45.86 36.67,45.88 36.65,45.92 36.65,45.95 36.64,45.97 36.63,46 36.62,46.03 36.62,46.06 36.61,46.09 36.6,46.12 36.59,46.16 36.59,46.19 36.58,46.22 36.58,46.3 36.57,46.37 36.57,46.4 36.58,46.48 36.58,46.51 36.59,46.55 36.59,46.58 36.6,46.61 36.61,46.65 36.62,46.68 36.63,46.72 36.63,46.75 36.64,46.79 36.64,46.82 36.64,46.86 36.64,46.9 36.63,46.97 36.62,47.04 36.61,47.11 36.6,47.14 36.59,47.17 36.59,47.2 36.58,47.23 36.57,47.26 36.56,47.28
rgb_ring.led[5].dout: length 4.3
  Top w0.2: 36.92,38.04 36.92,38.07 36.93,38.09 36.94,38.12 36.96,38.18 36.97,38.21 36.98,38.25 36.99,38.28 37,38.31 37.02,38.35 37.03,38.38 37.05,38.41 37.06,38.44 37.08,38.47 37.1,38.5 37.12,38.53 37.14,38.56 37.17,38.59 37.19,38.62 37.24,38.66 37.27,38.69 37.29,38.72 37.31,38.75 37.33,38.78 37.35,38.81 37.37,38.84 37.38,38.87 37.4,38.9 37.41,38.93 37.43,38.97 37.44,39 37.45,39.03 37.46,39.06 37.47,39.1 37.48,39.13 37.5,39.19 37.51,39.21 37.52,39.26 37.53,39.31 37.53,39.34 37.54,39.38 37.54,39.39 37.54,39.4 37.54,39.41 37.55,39.42 37.55,39.44 37.55,39.45 37.55,39.47 37.56,39.51 37.56,39.54 37.56,39.56 37.57,39.61 37.57,39.64 37.58,39.69 37.58,39.72 37.58,39.75 37.59,39.88 37.59,39.96 37.59,39.98 37.59,40.01 37.59,40.03 37.59,40.05 37.59,40.13 37.58,40.27 37.58,40.3 37.58,40.32 37.57,40.38 37.57,40.4 37.56,40.45 37.56,40.48 37.56,40.5 37.55,40.54 37.55,40.56 37.55,40.58 37.55,40.59 37.54,40.6 37.54,40.61 37.54,40.62 37.54,40.66 37.53,40.69 37.53,40.71 37.53,40.78 37.53,40.8 37.53,40.89 37.53,40.92 37.53,40.99 37.54,41.03 37.54,41.06 37.55,41.1 37.55,41.13 37.56,41.17 37.57,41.2 37.58,41.24 37.59,41.27 37.6,41.31 37.63,41.37 37.64,41.4 37.66,41.43 37.68,41.46 37.7,41.49 37.71,41.52 37.72,41.56 37.74,41.59 37.75,41.63 37.76,41.66 37.76,41.7 37.77,41.73 37.78,41.77 37.78,41.8 37.79,41.84 37.79,41.91 37.79,41.94 37.8,41.97 37.8,42.06 37.79,42.09
rgb_ring.led[6].dout: length 4.3
  Top w0.2: 35.75,33.07 35.77,33.12 35.8,33.17 35.82,33.2 35.84,33.22 35.86,33.25 35.9,33.31 35.94,33.37 35.97,33.39 35.99,33.42 36.02,33.44 36.04,33.47 36.07,33.49 36.1,33.51 36.13,33.54 36.16,33.55 36.19,33.57 36.22,33.59 36.25,33.61 36.28,33.63 36.31,33.65 36.33,33.67 36.36,33.7 36.41,33.75 36.43,33.78 36.46,33.8 36.5,33.86 36.52,33.89 36.54,33.92 36.57,33.97 36.59,34 36.62,34.05 36.63,34.07 36.64,34.09 36.65,34.11 36.67,34.15 36.68,34.18 36.69,34.2 36.7,34.22 36.71,34.24 36.72,34.26 36.72,34.27 36.73,34.29 36.74,34.31 36.75,34.35 36.76,34.37 36.77,34.39 36.78,34.42 36.79,34.44 36.8,34.47 36.81,34.49 36.82,34.52 36.83,34.54 36.84,34.57 36.87,34.68 36.88,34.7 36.89,34.72 36.89,34.75 36.9,34.77 36.91,34.81 36.92,34.84 36.92,34.86 36.93,34.89 36.94,34.91 36.94,34.94 36.96,35.02 36.97,35.1 36.98,35.13 36.98,35.16 36.99,35.21 36.99,35.23 37,35.26 37,35.28 37.01,35.32 37.01,35.34 37.01,35.35 37.01,35.38 37.02,35.41 37.02,35.45 37.03,35.49 37.03,35.51 37.05,35.58 37.06,35.61 37.07,35.66 37.08,35.7 37.11,35.76 37.12,35.79 37.13,35.82 37.16,35.89 37.17,35.92 37.19,35.95 37.21,35.99 37.25,36.05 37.27,36.08 37.29,36.1 37.32,36.13 37.37,36.18 37.39,36.2 37.41,36.23 37.44,36.26 37.48,36.32 37.49,36.35 37.51,36.38 37.53,36.41 37.54,36.45 37.57,36.51 37.58,36.54 37.59,36.58 37.6,36.61 37.62,36.67 37.63,36.73 37.64,36.75
rgb_ring.led[7].dout: length 4.3
  Top w0.2: 33.33,28.57 33.35,28.59 33.37,28.61 33.39,28.63 33.43,28.67 33.48,28.72 33.51,28.74 33.56,28.78 33.59,28.81 33.62,28.83 33.66,28.84 33.69,28.86 33.72,28.88 33.75,28.9 33.78,28.91 33.82,28.92 33.85,28.93 33.88,28.94 33.92,28.95 33.95,28.96 33.98,28.97 34.02,28.98 34.05,29 34.08,29.02 34.11,29.04 34.14,29.05 34.2,29.1 34.23,29.12 34.26,29.14 34.31,29.18 34.34,29.21 34.38,29.25 34.42,29.29 34.44,29.31 34.47,29.35 34.49,29.36 34.51,29.39 34.53,29.42 34.55,29.43 34.55,29.44 34.56,29.45 34.57,29.47 34.58,29.48 34.59,29.49 34.6,29.51 34.63,29.54 34.66,29.58 34.67,29.6 34.7,29.65 34.74,29.69 34.75,29.72 34.8,29.78 34.83,29.83 34.84,29.85 34.86,29.87 34.87,29.89 34.88,29.92 34.89,29.93 34.91,29.95 34.92,29.98 34.94,30.02 34.98,30.09 34.99,30.12 35,30.14 35.04,30.22 35.06,30.27 35.07,30.29 35.09,30.34 35.1,30.36 35.12,30.4 35.13,30.43 35.14,30.45 35.15,30.49 35.16,30.5 35.17,30.53 35.19,30.57 35.21,30.61 35.22,30.63 35.25,30.68 35.27,30.71 35.3,30.76 35.34,30.82 35.36,30.85 35.38,30.87 35.4,30.9 35.42,30.93 35.45,30.96 35.47,30.98 35.5,31.01 35.52,31.03 35.55,31.06 35.58,31.08 35.61,31.1 35.64,31.12 35.67,31.13 35.7,31.15 35.73,31.17 35.76,31.19 35.78,31.21 35.84,31.26 35.86,31.29 35.89,31.31 35.91,31.34 35.94,31.37 35.96,31.4 35.98,31.42 36,31.45 36.03,31.51 36.07,31.56 36.08,31.59 36.11,31.64
rgb_ring.led[8].dout: length 4.3
  Top w0.2: 33.31,27.09 33.27,27.05 33.25,27.03 33.23,27.01 33.2,26.99 33.18,26.97 33.15,26.94 33.1,26.9 33.04,26.86 33.01,26.84 32.95,26.8 32.92,26.78 32.88,26.77 32.85,26.75 32.82,26.74 32.78,26.73 32.72,26.71 32.68,26.7 32.65,26.69 32.62,26.68 32.58,26.66 32.55,26.65 32.49,26.61 32.46,26.59 32.4,26.55 32.38,26.52 32.32,26.48 32.27,26.43 32.25,26.41 32.23,26.39 32.18,26.33 32.14,26.29 32.12,26.26 32.1,26.24 32.07,26.21 32.05,26.18 32.03,26.15 32,26.12 31.97,26.08 31.9,26 31.87,25.96 31.85,25.94 31.8,25.87 31.78,25.85 31.76,25.83 31.74,25.81 31.73,25.8 31.71,25.78 31.68,25.75 31.66,25.73 31.64,25.71 31.62,25.7 31.6,25.68 31.58,25.66 31.52,25.61 31.5,25.59 31.46,25.55 31.39,25.5 31.37,25.49 31.34,25.45 31.3,25.43 31.27,25.4 31.25,25.38 31.23,25.37 31.21,25.35 31.2,25.35 31.18,25.33 31.13,25.3 31.12,25.29 31.09,25.28 31.07,25.26 31.02,25.23 30.99,25.22 30.97,25.2 30.91,25.17 30.84,25.15 30.81,25.13 30.74,25.11 30.71,25.1 30.67,25.09 30.64,25.08 30.6,25.07 30.56,25.07 30.53,25.06 30.5,25.06 30.42,25.06 30.39,25.06 30.36,25.06 30.32,25.05 30.28,25.05 30.25,25.04 30.18,25.02 30.14,25.01 30.11,25 30.08,24.98 30.05,24.97 30.01,24.95 29.95,24.92 29.93,24.91 29.9,24.89 29.85,24.86 29.83,24.85
rgb_ring.led[9].dout: length 4.3
  Top w0.2: 25.48,22.16 25.51,22.17 25.53,22.18 25.56,22.19 25.59,22.19 25.66,22.21 25.69,22.21 25.73,22.22 25.8,22.23 25.87,22.24 25.9,22.24 25.94,22.24 25.98,22.24 26.01,22.23 26.05,22.23 26.08,22.22 26.12,22.22 26.15,22.21 26.18,22.2 26.22,22.19 26.25,22.18 26.29,22.18 26.32,22.17 26.36,22.17 26.4,22.17 26.47,22.18 26.5,22.18 26.57,22.19 26.64,22.2 26.67,22.21 26.7,22.22 26.73,22.22 26.76,22.23 26.79,22.24 26.84,22.25 26.86,22.26 26.9,22.27 26.93,22.29 26.95,22.29 26.97,22.3 27.01,22.32 27.02,22.32 27.06,22.34 27.1,22.36 27.12,22.37 27.17,22.39 27.19,22.4 27.24,22.42 27.31,22.46 27.34,22.47 27.37,22.48 27.44,22.52 27.48,22.54 27.5,22.55 27.52,22.56 27.54,22.57 27.56,22.59 27.58,22.6 27.6,22.61 27.67,22.66 27.74,22.7 27.76,22.72 27.81,22.75 27.85,22.78 27.87,22.8 27.91,22.83 27.95,22.85 27.96,22.86 27.98,22.88 27.99,22.89 28,22.9 28.01,22.9 28.03,22.92 28.05,22.93 28.07,22.94 28.08,22.95 28.1,22.96 28.12,22.98 28.16,23 28.18,23.02 28.23,23.05 28.26,23.06 28.31,23.09 28.34,23.11 28.38,23.12 28.44,23.15 28.48,23.16 28.51,23.17 28.54,23.18 28.58,23.19 28.62,23.2 28.65,23.21 28.69,23.21 28.72,23.21 28.76,23.22 28.79,23.22 28.83,23.21 28.86,23.22 28.89,23.22 28.93,23.22 28.97,23.23 29,23.24 29.07,23.26 29.11,23.27 29.14,23.28 29.17,23.3 29.2,23.31 29.24,23.33 29.27,23.34 29.3,23.36 29.32,23.37 29.35,23.39 29.4,23.41 29.42,23.43
rgb_ring.led[10].dout: length 4.3
  Top w0.2: 24.73,20.89 24.7,20.89 24.67,20.88 24.64,20.87 24.61,20.86 24.58,20.86 24.55,20.85 24.48,20.84 24.41,20.83 24.34,20.82 24.3,20.82 24.27,20.82 24.23,20.82 24.2,20.82 24.16,20.83 24.13,20.83 24.09,20.84 24.06,20.85 24.03,20.86 23.99,20.87 23.95,20.88 23.92,20.88 23.85,20.88 23.81,20.88 23.74,20.88 23.67,20.87 23.63,20.87 23.6,20.86 23.57,20.85 23.53,20.85 23.5,20.84 23.47,20.83 23.44,20.83 23.42,20.82 23.39,20.81 23.34,20.8 23.33,20.79 23.29,20.78 23.27,20.77 23.25,20.76 23.22,20.75 23.2,20.74 23.19,20.73 23.17,20.73 23.15,20.72 23.11,20.7 23.09,20.7 23.06,20.69 23.04,20.68 23.02,20.67 22.99,20.66 22.96,20.65 22.94,20.64 22.91,20.63 22.89,20.62 22.78,20.58 22.76,20.58 22.73,20.57 22.71,20.56 22.69,20.56 22.64,20.54 22.62,20.54 22.59,20.53 22.57,20.53 22.54,20.52 22.52,20.52 22.44,20.5 22.35,20.49 22.33,20.48 22.3,20.48 22.25,20.47 22.22,20.46 22.2,20.46 22.18,20.46 22.14,20.45 22.12,20.45 22.1,20.45 22.08,20.44 22.05,20.44 22.03,20.44 22.01,20.43 21.99,20.43 21.97,20.43 21.88,20.43 21.79,20.43 21.75,20.43 21.69,20.43 21.62,20.44 21.58,20.45 21.55,20.45 21.51,20.46 21.48,20.47 21.44,20.48 21.37,20.5 21.34,20.51 21.31,20.53 21.28,20.54 21.25,20.56 21.22,20.58 21.19,20.59 21.15,20.61 21.12,20.62 21.09,20.64 21.02,20.66 20.98,20.66 20.95,20.67 20.91,20.68 20.84,20.68 20.81,20.69 20.74,20.69 20.71,20.69 20.62,20.69 20.59,20.69
